# KiCad board sr99-stm32-hotswap.kicad_pcb (continued)
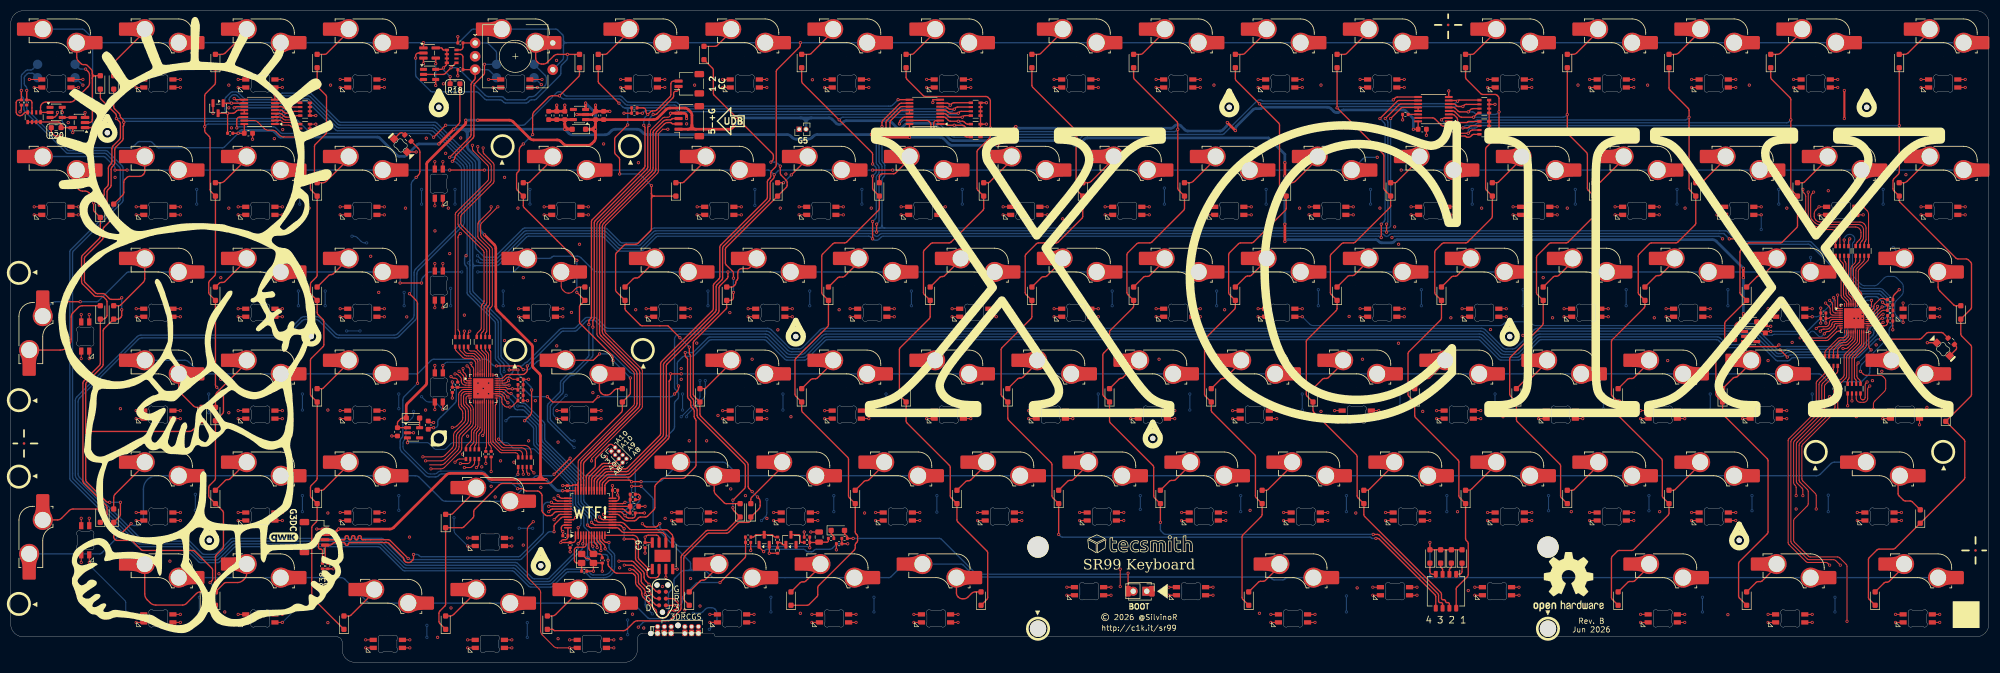
[diagram p0: board, top side]
## Routing (per net, layer and track width the routed paths; a pad name or vN(x,y) marks a point on that pad's centre or on a via; arc(x,y) is an arc through that point) (continued)
COL6: length 162.4
  Top w0.254: U2.7 270.01,105.04 arc(270.1,105.02) 270.19,104.96 v1(270.24,104.91) 270.36,105.04 arc(270.45,105.09) 270.54,105.11 R1.5 ; D9.1 228.74,109.12 arc(228.78,108.93) 228.89,108.76 v1(233.24,104.41) 236.84,100.81 arc(236.95,100.65) 236.99,100.45 236.99,88.62 arc(237.03,88.43) 237.14,88.26 D27.1 238.24,84.87 arc(238.2,84.68) 238.09,84.51 232.14,78.56 arc(231.97,78.45) 231.78,78.41 229.7,78.41 arc(229.5,78.37) 229.34,78.26 227.64,76.56 arc(227.53,76.4) 227.49,76.2 227.49,69.12 arc(227.53,68.93) 227.64,68.76 D45.1 228.74,66.37 arc(228.7,66.18) 228.59,66.01 223.14,60.56 arc(223.03,60.4) 222.99,60.2 222.99,50.12 arc(223.03,49.93) 223.14,49.76 D67.1 224.24,47.12 arc(224.28,46.93) 224.39,46.76 232.34,38.81 arc(232.45,38.65) 232.49,38.45 232.49,31.12 arc(232.53,30.93) 232.64,30.76 D82.1 233.74,27.62 arc(233.7,27.43) 233.59,27.26 230.14,23.81 arc(230.03,23.65) 229.99,23.45 229.99,12.12 arc(230.03,11.93) 230.14,11.76 D97.1
  Bottom w0.254: v1(270.24,104.91) 269.9,104.57 arc(269.73,104.46) 269.54,104.43 233.25,104.43 v1(233.24,104.41)
COL7: length 211.7
  Top w0.254: D10.1 209.74,109.37 arc(209.78,109.18) 209.89,109.01 217.84,101.06 arc(217.95,100.9) 217.99,100.7 217.99,88.62 arc(218.03,88.43) 218.14,88.26 D28.1 219.24,84.87 arc(219.2,84.68) 219.09,84.51 213.14,78.56 arc(212.97,78.45) 212.78,78.41 210.7,78.41 arc(210.5,78.37) 210.34,78.26 208.64,76.56 arc(208.53,76.4) 208.49,76.2 208.49,69.12 arc(208.53,68.93) 208.64,68.76 D46.1 209.74,66.62 arc(209.7,66.43) 209.59,66.26 205.39,62.06 arc(205.28,61.9) 205.24,61.7 205.24,59.12 arc(205.2,58.93) 205.09,58.76 204.14,57.81 arc(204.03,57.65) 203.99,57.45 203.99,50.12 arc(204.03,49.93) 204.14,49.76 D68.1 205.24,45.12 arc(205.28,44.93) 205.39,44.76 213.34,36.81 arc(213.45,36.65) 213.49,36.45 213.49,31.12 arc(213.53,30.93) 213.64,30.76 D83.1 v1(214.74,26.16) ; SW71.6 267.45,10.91 arc(267.37,11.09) 267.19,11.16 266.95,11.16 arc(266.77,11.24) 266.7,11.42 266.7,12.49 arc(266.66,12.69) 266.55,12.85 255.64,23.76 arc(255.48,23.87) 255.28,23.91 v1(254.49,23.91) ; R5.6 178.8,99.81 arc(178.6,99.85) 178.44,99.96 178.14,100.26 arc(177.97,100.37) 177.78,100.41 v1(176.24,100.41) 175.09,100.41 arc(175,100.43) 174.91,100.49 174.84,100.56 arc(174.75,100.62) 174.66,100.64 U3.1
  Bottom w0.254: v1(254.49,23.91) 215.7,23.91 arc(215.5,23.95) 215.34,24.06 214.89,24.51 arc(214.78,24.68) 214.74,24.87 v1(214.74,26.16) ; v1(176.24,100.41) 177.29,99.36 arc(177.45,99.25) 177.65,99.21 217.33,99.21 arc(217.52,99.25) 217.69,99.36 v1(217.99,99.66)
COL8: length 216
  Top w0.254: SW71.5 266.18,12.27 arc(266.14,12.47) 266.03,12.63 255.65,23.01 arc(255.48,23.12) 255.29,23.16 v1(254.99,23.16) ; R5.7 178.85,99.01 arc(178.65,99.05) 178.49,99.16 178.14,99.51 arc(177.97,99.62) 177.78,99.66 v1(175.49,99.66) 172.9,99.66 arc(172.54,99.81) 172.39,100.17 172.39,100.78 arc(172.54,101.14) 172.9,101.29 U3.2 ; v1(195.74,23.91) D84.1 194.64,30.76 arc(194.53,30.93) 194.49,31.12 194.49,36.95 arc(194.45,37.15) 194.34,37.31 186.39,45.26 arc(186.28,45.43) 186.24,45.62 D69.1 185.14,49.76 arc(185.03,49.93) 184.99,50.12 184.99,58.45 arc(185.03,58.65) 185.14,58.81 190.59,64.26 arc(190.7,64.43) 190.74,64.62 D47.1 189.64,68.76 arc(189.53,68.93) 189.49,69.12 189.49,75.95 arc(189.53,76.15) 189.64,76.31 191.59,78.26 arc(191.75,78.37) 191.95,78.41 195.28,78.41 arc(195.47,78.45) 195.64,78.56 200.09,83.01 arc(200.2,83.18) 200.24,83.37 D29.1 199.14,88.26 arc(199.03,88.43) 198.99,88.62 198.99,99.2 arc(198.95,99.4) 198.84,99.56 190.89,107.51 arc(190.78,107.68) 190.74,107.87 D11.1
  Bottom w0.254: v1(254.99,23.16) 254.32,23.16 arc(254.24,23.18) 254.17,23.22 254.06,23.34 arc(253.99,23.38) 253.92,23.4 196.46,23.4 arc(196.27,23.44) 196.1,23.55 v1(195.74,23.91) ; v1(198.99,98.16) 198.6,98.55 arc(198.43,98.66) 198.24,98.7 176.66,98.7 arc(176.47,98.74) 176.3,98.85 v1(175.49,99.66)
COL9: length 144.7
  Top w0.254: D12.1 167.24,109.37 arc(167.28,109.18) 167.39,109.01 170.47,105.93 arc(170.63,105.82) 170.83,105.78 182.18,105.78 arc(182.37,105.75) 182.53,105.64 182.83,105.34 arc(182.94,105.18) 182.97,104.98 182.97,98.36 arc(182.94,98.17) 182.83,98 180.64,95.81 arc(180.53,95.65) 180.49,95.45 180.49,88.62 arc(180.53,88.43) 180.64,88.26 D30.1 181.74,84.87 arc(181.7,84.68) 181.59,84.51 175.64,78.56 arc(175.47,78.45) 175.28,78.41 172.2,78.41 arc(172,78.37) 171.84,78.26 170.64,77.06 arc(170.53,76.9) 170.49,76.7 170.49,69.12 arc(170.53,68.93) 170.64,68.76 D48.1 171.74,64.62 arc(171.7,64.43) 171.59,64.26 166.14,58.81 arc(166.03,58.65) 165.99,58.45 165.99,50.12 arc(166.03,49.93) 166.14,49.76 D70.1 167.24,45.12 arc(167.28,44.93) 167.39,44.76 175.34,36.81 arc(175.45,36.65) 175.49,36.45 175.49,31.12 arc(175.53,30.93) 175.64,30.76 D85.1 176.74,26.62 arc(176.78,26.43) 176.89,26.26 182.34,20.81 arc(182.45,20.65) 182.49,20.45 182.49,12.12 arc(182.45,11.93) 182.34,11.76 D98.1 ; U3.3 174.3,101.94 arc(174.5,101.9) 174.66,101.79 175.14,101.31 arc(175.3,101.2) 175.5,101.16 v1(176.99,101.16) 177.76,101.16 arc(177.96,101.12) 178.12,101.01 178.37,100.76 arc(178.54,100.65) 178.73,100.61 R5.5
  Bottom w0.254: v1(182.99,99.91) 182.99,99.91 178.24,99.91 v1(176.99,101.16)
COL10: length 156.6
  Top w0.254: U3.4 174.4,102.59 arc(174.59,102.55) 174.76,102.44 175.13,102.06 arc(175.3,101.95) 175.49,101.91 v1(177.74,101.91) 177.89,102.06 arc(178.05,102.17) 178.25,102.21 R2.8 ; D13.1 147.74,108.62 arc(147.78,108.43) 147.89,108.26 160.84,95.31 arc(160.95,95.15) 160.99,94.95 v1(160.99,93.16) ; D99.1 148.78,10.66 arc(148.97,10.7) 149.14,10.81 150.59,12.26 arc(150.7,12.43) 150.74,12.62 150.74,13.95 arc(150.78,14.15) 150.89,14.31 157.59,21.01 arc(157.7,21.18) 157.74,21.37 157.74,21.92 arc(157.78,22.11) 157.89,22.28 158.03,22.42 arc(158.14,22.59) 158.18,22.78 158.18,23.51 arc(158.14,23.7) 158.03,23.87 157.89,24.02 arc(157.78,24.18) 157.74,24.37 D86.1 156.64,30.76 arc(156.53,30.93) 156.49,31.12 156.49,37.95 arc(156.45,38.15) 156.34,38.31 147.89,46.76 arc(147.78,46.93) 147.74,47.12 D71.1 146.64,49.76 arc(146.53,49.93) 146.49,50.12 146.49,56.45 arc(146.53,56.65) 146.64,56.81 152.59,62.76 arc(152.7,62.93) 152.74,63.12 D49.1 151.64,68.76 arc(151.53,68.93) 151.49,69.12 151.49,75.95 arc(151.53,76.15) 151.64,76.31 153.59,78.26 arc(153.75,78.37) 153.95,78.41 155.78,78.41 arc(155.97,78.45) 156.14,78.56 162.09,84.51 arc(162.2,84.68) 162.24,84.87 D31.1 161.14,88.26 arc(161.03,88.43) 160.99,88.62 v1(160.99,90.91)
  Bottom w0.254: v1(160.99,90.91) 161.52,91.45 arc(161.63,91.61) 161.67,91.8 161.67,92.27 arc(161.63,92.46) 161.52,92.63 v1(160.99,93.16) ; v1(177.74,101.91) 155.45,101.91 arc(155.25,101.87) 155.09,101.76 v1(154.74,101.41)
COL11: length 180.5
  Top w0.254: v1(139.49,30.91) 139.69,30.71 arc(139.91,30.38) 139.99,29.99 139.99,29.33 arc(139.91,28.94) 139.69,28.61 D87.1 138.24,26.67 arc(138.09,26.31) 137.73,26.16 136.17,26.16 arc(135.98,26.12) 135.81,26.01 134.09,24.29 arc(133.93,24.18) 133.74,24.14 130.4,24.14 arc(130.21,24.11) 130.04,24 125.87,19.82 arc(125.76,19.66) 125.72,19.46 125.72,11.89 arc(125.76,11.7) 125.87,11.53 D100.1 ; D14.1 131.09,111.06 arc(131.2,110.9) 131.24,110.7 131.24,106.37 arc(131.28,106.18) 131.39,106.01 142.3,95.1 arc(142.42,94.93) 142.45,94.74 142.45,94.19 arc(142.42,93.99) 142.3,93.83 v1(141.99,93.51) ; v1(134.99,71.81) 134.99,72.73 arc(134.96,72.92) 134.85,73.09 133.64,74.3 arc(133.53,74.46) 133.49,74.66 133.49,77.2 arc(133.53,77.4) 133.64,77.56 D32.1 144.87,88.8 arc(144.98,88.96) 145.02,89.16 145.02,89.75 arc(144.98,89.94) 144.87,90.1 143.89,91.09 arc(143.78,91.26) 143.74,91.45 v1(143.74,92.76) 143.74,92.76 ; R2.7 177.55,103.01 arc(177.35,102.97) 177.19,102.86 v1(176.99,102.66) 175.47,102.66 arc(175.28,102.7) 175.11,102.81 174.83,103.09 arc(174.67,103.2) 174.47,103.24 U3.5 ; v1(134.99,69.16) 134.99,68.17 arc(134.84,67.81) 134.48,67.66 D50.1 133.74,66.29 arc(133.72,66.2) 133.66,66.11 127.64,60.09 arc(127.53,59.92) 127.49,59.73 127.49,50.12 arc(127.53,49.93) 127.64,49.76 D72.1 128.74,46.37 arc(128.78,46.18) 128.89,46.01 137.59,37.31 arc(137.7,37.15) 137.74,36.95 137.74,32.87 arc(137.78,32.68) 137.89,32.51 v1(138.49,31.91)
  Bottom w0.254: v1(135.49,101.91) 135.85,102.28 arc(136.02,102.39) 136.21,102.43 176.54,102.43 arc(176.74,102.47) 176.9,102.58 v1(176.99,102.66) ; v1(143.74,92.76) 143.29,93.21 arc(142.96,93.43) 142.57,93.51 v1(141.99,93.51) ; 134.99,71.8 134.99,71.8 v1(134.99,69.16) ; v1(138.49,31.91) v1(139.49,30.91)
COL12: length 236.6
  Top w0.254: 119.67,87.67 119.67,86.65 ; 119.67,87.67 v1(119.67,89.13) ; 119.67,87.67 arc(119.82,87.31) 120.18,87.16 ; 119.67,86.65 119.67,81.06 arc(119.63,80.86) 119.52,80.7 117.14,78.31 arc(116.97,78.2) 116.78,78.16 114.95,78.16 arc(114.75,78.12) 114.59,78.01 113.14,76.56 arc(113.03,76.4) 112.99,76.2 112.99,69.62 arc(113.03,69.43) 113.14,69.26 D51.1 114.74,66.12 arc(114.78,65.93) 114.89,65.76 117.59,63.06 arc(117.75,62.95) 117.95,62.91 122.76,62.91 v1(125,60.67) ; 119.67,86.65 arc(119.82,87.01) 120.18,87.16 ; R2.6 176.85,103.81 arc(176.65,103.77) 176.49,103.66 v1(176.24,103.41) 175.45,103.41 arc(175.26,103.45) 175.09,103.56 174.92,103.74 arc(174.75,103.85) 174.56,103.89 U3.6 ; v1(115.24,100.48) 112.96,98.2 arc(112.85,98.03) 112.81,97.84 112.81,95.35 arc(112.85,95.16) 112.96,94.99 113.59,94.36 arc(113.7,94.19) 113.74,94 v1(113.74,91.29) ; D15.1 109.74,108.62 arc(109.78,108.43) 109.89,108.26 v1(113.61,104.54) ; D101.1 101.17,6.16 arc(101.27,6.14) 101.35,6.09 101.45,5.99 arc(101.54,5.93) 101.63,5.91 114.39,5.91 arc(114.78,5.99) 115.11,6.21 116.37,7.47 arc(116.7,7.69) 117.08,7.76 122.88,7.76 arc(123.07,7.8) 123.24,7.91 125.06,9.74 arc(125.17,9.9) 125.21,10.09 125.21,19.67 arc(125.25,19.87) 125.36,20.03 129.84,24.51 arc(130,24.62) 130.2,24.66 133.53,24.66 arc(133.72,24.7) 133.89,24.81 D88.1 135.04,28.36 arc(134.93,28.53) 134.89,28.72 v1(134.89,28.91) ; 120.18,87.16 D33.1 ; v1(126.75,58.92) 126.75,57.78 arc(126.77,57.68) 126.82,57.6 126.88,57.54 arc(126.94,57.46) 126.96,57.36 126.96,49.9 arc(127,49.71) 127.11,49.54 127.41,49.24 arc(127.52,49.07) 127.56,48.88 127.56,48.24 arc(127.6,48.05) 127.71,47.88 128.05,47.54 arc(128.16,47.37) 128.2,47.18 128.2,46.16 arc(128.24,45.97) 128.35,45.8 137.07,37.08 arc(137.18,36.92) 137.21,36.73 137.21,32.85 arc(137.18,32.66) 137.07,32.49 v1(134.89,30.32)
  Bottom w0.254: v1(134.89,30.32) v1(134.89,28.91) ; v1(113.61,104.54) 114.34,103.81 arc(114.5,103.7) 114.7,103.66 123.78,103.66 arc(123.97,103.62) 124.14,103.51 124.56,103.09 arc(124.72,102.98) 124.91,102.95 175.56,102.95 arc(175.76,102.98) 175.92,103.09 v1(176.24,103.41) ; v1(119.67,89.13) 119.66,89.13 117.64,91.15 arc(117.48,91.26) 117.28,91.3 113.75,91.3 113.74,91.29 ; v1(125,60.67) v1(126.75,58.92) ; 115.24,100.54 115.24,103.15 ; 115.24,103.15 arc(115.09,103.51) 114.73,103.66 115.75,103.66 arc(115.39,103.51) 115.24,103.15
COL13: length 222.8
  Top w0.254: v1(105.74,75.16) 95.89,85.01 arc(95.78,85.18) 95.74,85.37 D34.1 94.64,88.26 arc(94.53,88.43) 94.49,88.62 94.49,91.2 arc(94.53,91.4) 94.64,91.56 94.84,91.76 arc(94.95,91.93) 94.99,92.12 94.99,95.74 arc(95.06,96.13) 95.29,96.46 v1(95.74,96.91) ; v1(115.74,53.16) 115.74,50.37 arc(115.7,50.18) 115.59,50.01 D73.1 114.24,47.12 arc(114.2,46.93) 114.09,46.76 101.07,33.74 arc(100.74,33.52) 100.35,33.44 91.94,33.44 arc(91.55,33.37) 91.22,33.15 86.64,28.56 arc(86.53,28.4) 86.49,28.2 86.49,27.37 arc(86.45,27.18) 86.34,27.01 84.64,25.31 arc(84.47,25.2) 84.28,25.16 D89.1 81.24,10.87 arc(81.2,10.68) 81.09,10.51 80.14,9.56 arc(80.03,9.4) 79.99,9.2 79.99,7.62 arc(80.03,7.43) 80.14,7.26 D102.1 ; D16.1 106.24,109.87 arc(106.2,109.68) 106.09,109.51 v1(102.49,105.91) 101.16,105.91 arc(100.77,105.84) 100.44,105.61 97.79,102.96 arc(97.56,102.63) 97.49,102.24 v1(97.49,98.66) ; v1(112.49,56.41) 112.49,57.02 arc(112.45,57.22) 112.34,57.38 106.39,63.33 arc(106.28,63.5) 106.24,63.69 106.24,66.45 arc(106.28,66.65) 106.39,66.81 D52.1 v1(105.74,69.16) ; R2.5 176.15,104.61 arc(175.95,104.57) 175.79,104.46 v1(175.49,104.16) 175.49,104.2 175.3,104.39 arc(175.13,104.5) 174.94,104.54 U3.7
  Bottom w0.254: v1(115.74,53.16) v1(112.49,56.41) ; v1(95.74,96.91) v1(97.49,98.66) ; v1(175.49,104.16) 174.93,103.61 arc(174.77,103.5) 174.57,103.46 125.13,103.46 arc(124.93,103.5) 124.77,103.61 124.35,104.03 arc(124.18,104.14) 123.99,104.18 115.17,104.18 arc(114.98,104.22) 114.81,104.33 113.94,105.19 arc(113.78,105.3) 113.59,105.34 103.27,105.34 arc(103.07,105.38) 102.91,105.49 v1(102.49,105.91) ; v1(105.74,69.16) v1(105.74,75.16)
COL14: length 126.3
  Top w0.254: D103.1 56.39,12.01 arc(56.28,12.18) 56.24,12.37 56.24,25.2 arc(56.28,25.4) 56.39,25.56 57.09,26.26 arc(57.2,26.43) 57.24,26.62 D90.1 56.14,30.76 arc(56.03,30.93) 55.99,31.12 55.99,32.7 arc(56.03,32.9) 56.14,33.06 57.09,34.01 arc(57.2,34.18) 57.24,34.37 D74.1 56.14,49.76 arc(56.03,49.93) 55.99,50.12 55.99,56.45 arc(56.03,56.65) 56.14,56.81 58.34,59.01 arc(58.45,59.18) 58.49,59.37 58.49,63.7 arc(58.45,63.9) 58.34,64.06 57.39,65.01 arc(57.28,65.18) 57.24,65.37 D53.1 56.14,68.76 arc(56.03,68.93) 55.99,69.12 55.99,70.7 arc(56.03,70.9) 56.14,71.06 57.09,72.01 arc(57.2,72.18) 57.24,72.37 D35.1 56.14,88.26 arc(56.03,88.43) 55.99,88.62 55.99,90.2 arc(56.03,90.4) 56.14,90.56 56.59,91.01 arc(56.7,91.18) 56.74,91.37 56.74,96.45 arc(56.78,96.65) 56.89,96.81 58.84,98.76 arc(58.95,98.93) 58.99,99.12 58.99,105.7 arc(58.95,105.9) 58.84,106.06 57.39,107.51 arc(57.28,107.68) 57.24,107.87 D17.1 ; U4.4 50.35,102.59 arc(50.54,102.55) 50.71,102.44 51.08,102.06 arc(51.25,101.95) 51.44,101.91 v1(52.99,101.91) 53.14,102.06 arc(53.3,102.17) 53.5,102.21 R3.8
  Bottom w0.254: v1(58.99,99.68) 58.85,99.55 arc(58.69,99.44) 58.49,99.4 55.71,99.4 arc(55.52,99.44) 55.35,99.55 v1(52.99,101.91) ; 58.97,99.68 58.99,99.66
COL15: length 131.1
  Top w0.254: v1(38.24,9.41) D104.1 ; v1(38.24,14.91) 38.24,19.7 arc(38.28,19.9) 38.39,20.06 39.59,21.26 arc(39.7,21.43) 39.74,21.62 39.74,27.95 arc(39.7,28.15) 39.59,28.31 D91.1 37.14,30.76 arc(37.03,30.93) 36.99,31.12 36.99,32.7 arc(37.03,32.9) 37.14,33.06 38.09,34.01 arc(38.2,34.18) 38.24,34.37 D75.1 39.59,46.51 arc(39.7,46.68) 39.74,46.87 39.74,49.95 arc(39.7,50.15) 39.59,50.31 v1(39.49,50.41) ; v1(38.49,51.41) 38.39,51.51 arc(38.28,51.68) 38.24,51.87 D54.1 37.14,68.76 arc(37.03,68.93) 36.99,69.12 36.99,70.95 arc(37.03,71.15) 37.14,71.31 38.09,72.26 arc(38.2,72.43) 38.24,72.62 D36.1 37.39,88.01 arc(37.28,88.18) 37.24,88.37 37.24,97.95 arc(37.2,98.15) 37.09,98.31 36.39,99.01 arc(36.28,99.18) 36.24,99.37 36.24,105.95 arc(36.28,106.15) 36.39,106.31 38.09,108.01 arc(38.2,108.18) 38.24,108.37 D18.1 ; U4.5 50.45,103.24 arc(50.64,103.2) 50.81,103.09 51.08,102.81 arc(51.25,102.7) 51.44,102.66 v1(52.49,102.66) 52.69,102.86 arc(52.85,102.97) 53.05,103.01 R3.7
  Bottom w0.254: v1(52.49,102.66) 51.66,102.66 arc(51.47,102.62) 51.3,102.51 49.56,100.78 arc(49.4,100.67) 49.21,100.63 36.91,100.63 arc(36.72,100.59) 36.55,100.48 v1(36.24,100.16) ; v1(38.49,51.41) v1(39.49,50.41) ; v1(38.24,14.91) v1(38.24,9.41)
COL16: length 193.1
  Top w0.254: v1(21.12,100.96) 21.12,100.42 arc(21.11,100.37) 21.08,100.32 21.05,100.29 arc(21.02,100.24) 21,100.18 21,97.91 arc(20.97,97.71) 20.86,97.55 19.66,96.35 arc(19.49,96.1) 19.43,95.81 19.43,93.44 arc(19.38,93.15) 19.21,92.9 18.98,92.67 arc(18.81,92.43) 18.76,92.13 18.76,89.16 arc(18.72,88.97) 18.61,88.8 18.14,88.33 arc(18.03,88.17) 17.99,87.97 17.99,84.62 arc(18.03,84.43) 18.14,84.26 D37.1 17.41,81.33 arc(17.3,81.17) 17.26,80.97 17.26,79.4 arc(17.22,79.2) 17.11,79.04 13.91,75.84 arc(13.8,75.68) 13.76,75.48 13.76,71.35 arc(13.8,71.15) 13.91,70.99 15.82,69.08 arc(15.99,68.97) 16.18,68.93 17.28,68.93 arc(17.47,68.89) 17.64,68.78 18.41,68 arc(18.58,67.89) 18.77,67.85 20.22,67.85 arc(20.41,67.89) 20.58,68 v1(20.74,68.16) ; v1(21.12,100.96) 21.13,100.97 ; v1(21.12,100.96) 21.12,101.07 arc(21.08,101.26) 20.97,101.43 20.59,101.81 arc(20.48,101.97) 20.45,102.16 20.45,102.22 arc(20.41,102.42) 20.3,102.58 19.39,103.49 arc(19.28,103.66) 19.24,103.85 D19.1 ; v1(18.49,29.91) 18.2,29.91 arc(18,29.95) 17.84,30.06 14.16,33.74 arc(14.05,33.9) 14.01,34.1 14.01,42.65 ; 14.01,42.65 14.01,43.67 ; 14.01,42.65 arc(14.16,43.01) 14.52,43.16 ; D76.1 34.04,43.46 arc(33.71,43.24) 33.32,43.16 14.52,43.16 ; 14.52,43.16 arc(14.16,43.31) 14.01,43.67 ; U4.6 50.55,103.89 arc(50.75,103.85) 50.91,103.74 51.09,103.56 arc(51.25,103.45) 51.45,103.41 v1(51.99,103.41) 52.24,103.66 arc(52.4,103.77) 52.6,103.81 R3.6 ; v1(20.49,29.91) 20.49,27.62 arc(20.45,27.43) 20.34,27.26 D92.1 19.24,23.4 arc(19.28,23.21) 19.39,23.04 19.49,22.94 arc(19.66,22.83) 19.85,22.79 22.4,22.79 arc(22.6,22.75) 22.76,22.64 24.34,21.06 arc(24.5,20.95) 24.7,20.91 34.03,20.91 arc(34.22,20.87) 34.39,20.76 37.56,17.59 arc(37.67,17.42) 37.71,17.23 37.71,15.6 arc(37.67,15.4) 37.56,15.24 v1(37.24,14.91) ; 14.01,43.67 14.01,51.98 arc(14.05,52.18) 14.16,52.34 17.12,55.3 arc(17.23,55.46) 17.26,55.66 17.26,61.98 arc(17.3,62.17) 17.41,62.34 D55.1 20.03,64.16 arc(20.22,64.2) 20.39,64.31 20.59,64.51 arc(20.7,64.68) 20.74,64.87 v1(20.74,65.91) ; v1(36.24,9.41) D105.1
  Bottom w0.254: v1(36.24,9.41) 37.57,10.74 arc(37.68,10.91) 37.72,11.1 37.72,14.22 arc(37.68,14.42) 37.57,14.58 v1(37.24,14.91) ; v1(21.12,100.96) 21.16,101 arc(21.32,101.11) 21.52,101.15 48.99,101.15 arc(49.18,101.18) 49.35,101.29 51.32,103.26 arc(51.48,103.37) 51.68,103.41 v1(51.99,103.41) ; v1(18.49,29.91) v1(20.49,29.91) ; v1(20.74,68.16) v1(20.74,65.91)
COL17: length 131.7
  Top w0.254: D20.1 16.74,105.62 arc(16.78,105.43) 16.89,105.26 19.59,102.56 arc(19.7,102.4) 19.74,102.2 v1(19.74,101.66) 20.34,101.06 arc(20.45,100.9) 20.49,100.7 20.49,98.12 arc(20.45,97.93) 20.34,97.76 19.13,96.55 arc(18.96,96.3) 18.9,96.01 18.9,93.67 arc(18.85,93.37) 18.68,93.13 18.46,92.91 arc(18.3,92.66) 18.24,92.37 18.24,89.37 arc(18.2,89.18) 18.09,89.01 17.61,88.53 arc(17.5,88.37) 17.46,88.17 17.46,87.42 arc(17.31,87.06) 16.95,86.91 v1(16.49,86.91) ; R3.5 52.15,104.61 arc(51.95,104.57) 51.79,104.46 v1(51.49,104.16) 51.26,104.39 arc(51.1,104.5) 50.9,104.54 U4.7 ; D93.1 17.84,27.26 arc(17.95,27.43) 17.99,27.62 17.99,28.95 arc(17.95,29.15) 17.84,29.31 13.64,33.51 arc(13.53,33.68) 13.49,33.87 13.49,52.2 arc(13.53,52.4) 13.64,52.56 16.59,55.51 arc(16.7,55.68) 16.74,55.87 D56.1 17.28,64.16 arc(17.47,64.2) 17.64,64.31 17.84,64.51 arc(17.95,64.68) 17.99,64.87 17.99,67.45 arc(17.95,67.65) 17.84,67.81 17.39,68.26 arc(17.22,68.37) 17.03,68.41 15.95,68.41 arc(15.75,68.45) 15.59,68.56 13.39,70.76 arc(13.28,70.93) 13.24,71.12 13.24,75.7 arc(13.28,75.9) 13.39,76.06 16.59,79.26 arc(16.7,79.43) 16.74,79.62 D38.1 15.64,84.26 arc(15.53,84.43) 15.49,84.62 v1(15.49,85.91)
  Bottom w0.254: v1(15.49,85.91) v1(16.49,86.91) ; v1(19.74,101.66) 48.78,101.66 arc(48.97,101.7) 49.14,101.81 v1(51.49,104.16)
D+: length 84
  Top w0.254: U1.34 106.49,33.16 106.48,33.17 106.48,37.31 arc(106.52,37.5) 106.63,37.67 116.69,47.72 arc(116.91,48.05) 116.98,48.43 116.98,53.89 arc(116.91,54.28) 116.69,54.6 110.28,61.01 arc(110.06,61.34) 109.98,61.72 109.98,81.6 arc(110.06,81.99) 110.28,82.31 119.69,91.72 arc(119.91,92.05) 119.98,92.43 119.98,99.06 arc(120.02,99.25) 120.13,99.42 121.84,101.12 arc(122.16,101.34) 122.55,101.42 123.22,101.42 arc(123.32,101.44) 123.4,101.49 123.5,101.59 arc(123.58,101.64) 123.68,101.66 J1.3
D-: length 83.2
  Top w0.254: J1.2 123.68,100.66 arc(123.58,100.68) 123.5,100.74 123.4,100.83 arc(123.32,100.89) 123.22,100.91 122.76,100.91 arc(122.37,100.83) 122.05,100.62 120.64,99.21 arc(120.53,99.04) 120.49,98.85 120.49,92.22 arc(120.42,91.84) 120.2,91.51 110.78,82.1 arc(110.57,81.78) 110.49,81.39 110.49,61.93 arc(110.57,61.55) 110.78,61.22 117.2,54.81 arc(117.42,54.49) 117.49,54.1 117.49,48.22 arc(117.42,47.84) 117.2,47.51 107.14,37.46 arc(107.03,37.29) 106.99,37.1 106.99,33.17 106.99,33.16 U1.33
EEPROM_CS: length 13.5
  Top w0.254: U1.12 116.22,23.75 arc(116.94,23.45) 117.24,22.73 117.24,19.59 arc(117.28,19.39) 117.39,19.23 119.03,17.59 arc(119.19,17.48) 119.39,17.44 U5.1
ENC_A: length 259.4
  Top w0.254: v1(81.99,94.41) 85.84,98.26 arc(85.95,98.43) 85.99,98.62 85.99,108.06 arc(86.03,108.25) 86.14,108.42 86.6,108.88 arc(86.71,109.05) 86.75,109.24 REF**#15.B C21.2 84.47,113.18 arc(84.32,113.54) 83.96,113.69 R17.3 ; v1(105.99,22.16) 105.99,22.26 106.34,22.61 arc(106.45,22.77) 106.49,22.97 U1.3
  Bottom w0.254: REF**#15.B 89.04,110.8 arc(89.23,110.76) 89.4,110.65 ENC1.A ; v1(105.99,22.16) 105.99,21.37 arc(105.95,21.18) 105.84,21.01 100.59,15.76 arc(100.42,15.65) 100.23,15.61 97.77,15.61 arc(97.57,15.65) 97.41,15.76 94.65,18.51 arc(94.49,18.62) 94.3,18.66 74.2,18.66 arc(74,18.7) 73.84,18.81 69.64,23.01 arc(69.47,23.12) 69.28,23.16 41.45,23.16 arc(41.25,23.12) 41.09,23.01 38.4,20.32 arc(38.23,20.21) 38.04,20.18 36.12,20.18 arc(35.92,20.21) 35.76,20.32 33.07,23.01 arc(32.9,23.12) 32.71,23.16 24.45,23.16 arc(24.25,23.2) 24.09,23.31 12.88,34.52 arc(12.66,34.85) 12.58,35.24 12.58,48.71 arc(12.66,49.1) 12.88,49.43 23.81,60.36 arc(24.14,60.58) 24.53,60.65 50.81,60.65 arc(51.2,60.73) 51.53,60.95 54.39,63.81 arc(54.72,64.03) 55.11,64.11 56.89,64.11 arc(57.28,64.03) 57.61,63.81 60.47,60.95 arc(60.8,60.73) 61.19,60.65 71.81,60.65 arc(72.2,60.73) 72.53,60.95 75.56,63.99 arc(75.79,64.32) 75.86,64.71 75.86,72.62 arc(75.94,73.01) 76.16,73.34 84.44,81.61 arc(84.66,81.94) 84.74,82.33 84.74,92.28 arc(84.66,92.67) 84.44,93 83.33,94.11 arc(83,94.34) 82.61,94.41 v1(81.99,94.41)
ENC_B: length 265.1
  Top w0.254: v1(106.86,22.14) 106.91,22.19 arc(106.97,22.28) 106.99,22.37 U1.4 ; v1(82.49,93.66) 82.82,93.99 arc(82.93,94.16) 82.96,94.35 82.96,94.43 arc(83,94.62) 83.11,94.79 86.37,98.04 arc(86.48,98.21) 86.52,98.4 86.52,107.82 arc(86.56,108.02) 86.67,108.18 88.34,109.85 arc(88.45,110.02) 88.49,110.21 v1(88.49,111.8) ; R17.4 83.96,114.49 arc(84.32,114.64) 84.47,115 C22.2 REF**#15.A
  Bottom w0.254: REF**#15.A 88.87,115.8 arc(89.06,115.76) 89.23,115.65 90.6,114.28 arc(90.71,114.11) 90.75,113.92 ENC1.B v1(88.49,111.8) 88.49,111.66 ; v1(106.86,22.14) 106.86,21.51 arc(106.82,21.32) 106.71,21.15 100.8,15.25 arc(100.64,15.14) 100.45,15.1 97.55,15.1 arc(97.36,15.14) 97.19,15.25 94.45,17.99 arc(94.28,18.1) 94.09,18.14 73.99,18.14 arc(73.8,18.18) 73.63,18.29 69.42,22.5 arc(69.26,22.61) 69.06,22.65 41.66,22.65 arc(41.47,22.61) 41.3,22.5 38.61,19.81 arc(38.45,19.7) 38.25,19.66 35.9,19.66 arc(35.71,19.7) 35.55,19.81 32.86,22.5 arc(32.69,22.61) 32.5,22.65 24.23,22.65 arc(24.04,22.69) 23.87,22.8 12.37,34.3 arc(12.15,34.63) 12.07,35.02 12.07,48.92 arc(12.15,49.31) 12.37,49.64 13.38,50.65 13.38,50.65 23.59,60.87 arc(23.92,61.09) 24.31,61.17 50.59,61.17 arc(50.98,61.24) 51.3,61.46 54.17,64.33 arc(54.5,64.55) 54.89,64.63 57.11,64.63 arc(57.5,64.55) 57.83,64.33 60.69,61.46 arc(61.02,61.24) 61.41,61.17 71.59,61.17 arc(71.98,61.24) 72.31,61.46 75.05,64.2 arc(75.27,64.53) 75.35,64.92 75.35,72.83 arc(75.42,73.22) 75.64,73.55 83.91,81.82 arc(84.13,82.15) 84.21,82.54 84.21,92.08 arc(84.13,92.47) 83.91,92.8 83.35,93.36 arc(83.02,93.59) 82.63,93.66 v1(82.49,93.66)
ENC_C: length 219.1
  Top w0.254: R19.3 3.97,103.64 ; v1(2.99,106.91) C23.2 3.46,105.14 arc(3.82,104.99) 3.97,104.63 3.97,103.66 ; U1.10 109.99,23.04 arc(110.03,22.85) 110.14,22.68 110.88,21.93 arc(110.99,21.77) 111.03,21.58 v1(111.03,21.22) 111.15,21.34
  Bottom w0.254: ENC2.A 4.34,109.98 arc(4.18,110.09) 3.98,110.13 3.4,110.13 arc(3.21,110.09) 3.04,109.98 2.68,109.62 arc(2.57,109.46) 2.53,109.26 2.53,108.19 arc(2.57,107.99) 2.68,107.83 2.85,107.66 arc(2.96,107.5) 3,107.3 3,106.92 v1(2.99,106.91) 2.99,103.6 arc(3.03,103.4) 3.14,103.24 10.55,95.82 arc(10.72,95.71) 10.91,95.67 17.75,95.67 arc(17.94,95.63) 18.11,95.52 20.84,92.79 arc(20.95,92.63) 20.99,92.43 20.99,86.39 arc(20.95,86.2) 20.84,86.04 11.7,76.9 arc(11.59,76.73) 11.55,76.54 11.55,35.36 11.55,35.36 11.55,34.59 arc(11.59,34.4) 11.7,34.23 23.66,22.28 arc(23.82,22.17) 24.02,22.13 32.28,22.13 arc(32.48,22.09) 32.64,21.98 35.33,19.29 arc(35.49,19.18) 35.69,19.15 38.47,19.15 arc(38.66,19.18) 38.83,19.29 41.52,21.98 arc(41.68,22.09) 41.88,22.13 68.85,22.13 arc(69.04,22.09) 69.21,21.98 73.42,17.77 arc(73.58,17.66) 73.78,17.62 93.88,17.62 arc(94.07,17.58) 94.24,17.47 96.98,14.73 arc(97.15,14.62) 97.34,14.58 100.67,14.58 arc(100.86,14.62) 101.03,14.73 103.56,17.26 arc(103.73,17.37) 103.92,17.41 107.28,17.41 arc(107.47,17.37) 107.63,17.26 108.42,16.48 arc(108.58,16.37) 108.78,16.33 110.75,16.33 arc(111.83,16.78) 112.27,17.86 112.27,19.77 arc(112.24,19.96) 112.12,20.13 v1(111.03,21.22)
ENC_D: length 224.8
  Top w0.254: v1(1.99,106.91) C24.2 1.53,105.14 arc(1.17,104.99) 1.02,104.63 1.02,102.84 arc(1.06,102.65) 1.17,102.48 1.29,102.36 arc(1.46,102.25) 1.65,102.21 1.82,102.21 arc(2.02,102.25) 2.18,102.36 2.49,102.66 arc(2.65,102.77) 2.85,102.81 R19.4 ; v1(111.74,22.41) 111.28,22.41 arc(111.09,22.45) 110.92,22.56 110.64,22.85 arc(110.53,23.01) 110.49,23.21 U1.11
  Bottom w0.254: ENC2.B 4.11,110.89 arc(3.95,110.78) 3.75,110.74 3.16,110.74 arc(2.96,110.7) 2.8,110.59 2.14,109.93 arc(2.03,109.77) 1.99,109.57 v1(1.99,106.91) 1.99,106.08 arc(2.03,105.89) 2.14,105.72 2.31,105.54 arc(2.42,105.38) 2.46,105.18 2.46,103.4 arc(2.5,103.2) 2.61,103.04 10.34,95.31 arc(10.5,95.2) 10.7,95.16 17.53,95.16 arc(17.72,95.12) 17.89,95.01 20.32,92.58 arc(20.43,92.41) 20.47,92.22 20.47,86.61 arc(20.43,86.41) 20.32,86.25 11.19,77.11 arc(11.07,76.95) 11.04,76.75 11.04,34.38 arc(11.07,34.19) 11.19,34.02 23.44,21.77 arc(23.61,21.66) 23.8,21.62 32.06,21.62 arc(32.26,21.58) 32.42,21.47 35.11,18.78 arc(35.28,18.67) 35.47,18.63 38.68,18.63 arc(38.88,18.67) 39.04,18.78 41.73,21.47 arc(41.89,21.58) 42.09,21.62 68.64,21.62 arc(68.83,21.58) 69,21.47 73.21,17.26 arc(73.37,17.15) 73.57,17.11 93.66,17.11 arc(93.86,17.07) 94.02,16.96 96.76,14.21 arc(96.93,14.1) 97.12,14.07 100.89,14.07 arc(101.08,14.1) 101.25,14.21 103.78,16.75 arc(103.94,16.86) 104.14,16.9 107.06,16.9 arc(107.25,16.86) 107.42,16.75 108.2,15.96 arc(108.37,15.85) 108.56,15.81 110.76,15.81 arc(112.2,16.41) 112.8,17.85 112.8,19.98 arc(112.76,20.18) 112.65,20.34 111.89,21.1 arc(111.78,21.27) 111.74,21.46 v1(111.74,22.41)